# KiCad board Clavier.kicad_pcb (continued)
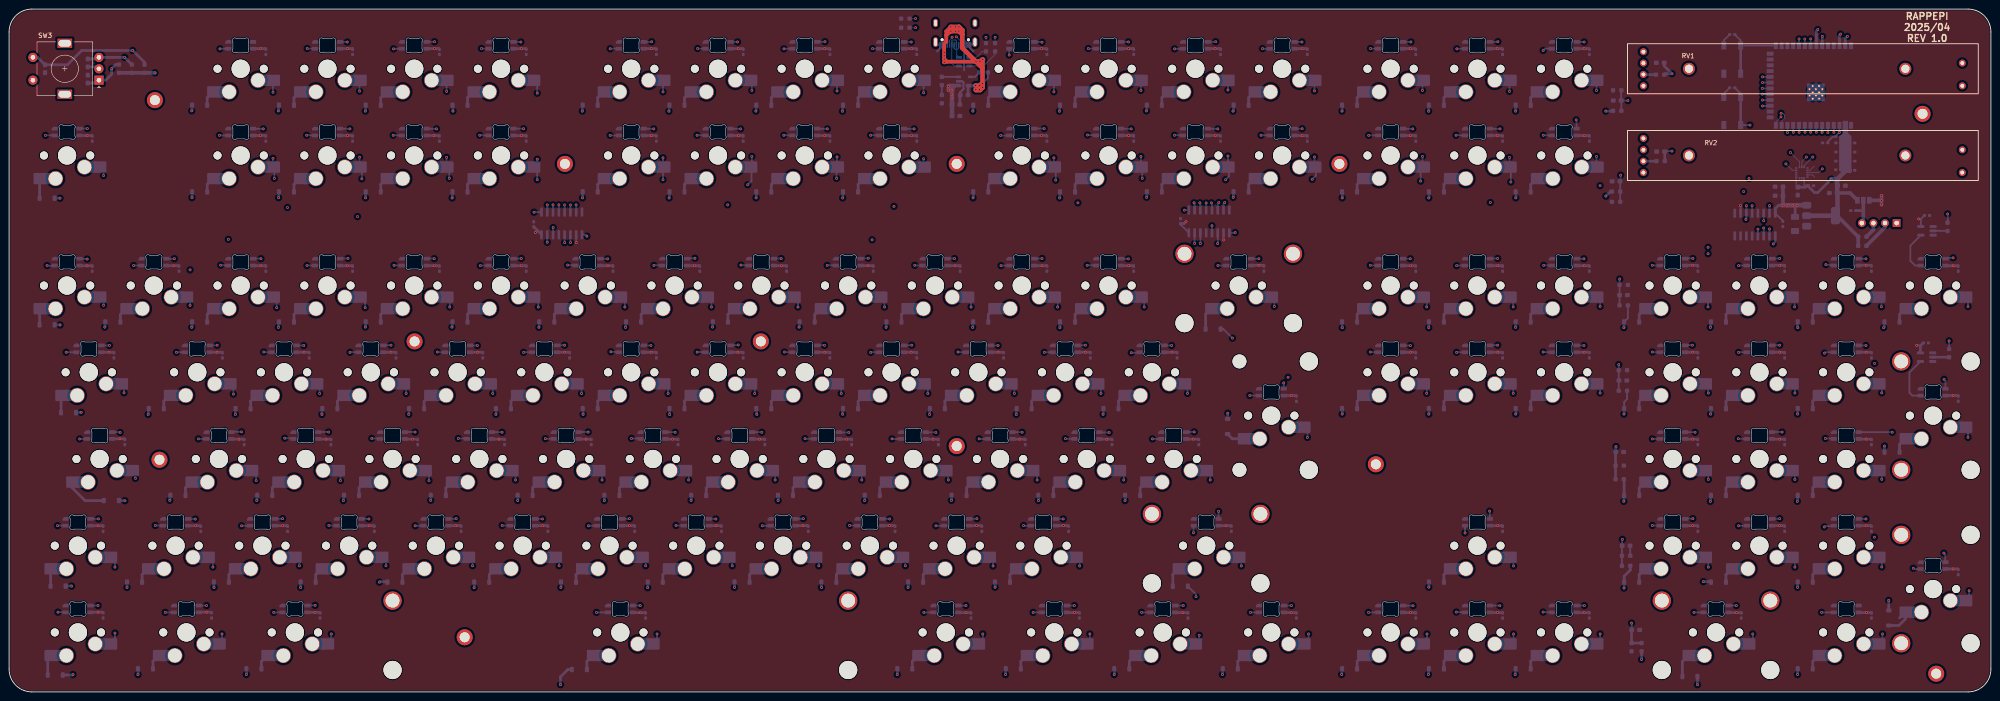
[diagram p0: board, top side]
## Placement (name value [footprint] x y rotation side) (continued)
LED22  MX_SK6812MINI-E  [LED_MX_6028R]  155.6 122.99 0 bottom
LED23  MX_SK6812MINI-E  [LED_MX_6028R]  174.65 122.99 0 bottom
LED24  MX_SK6812MINI-E  [LED_MX_6028R]  193.7 122.99 0 bottom
LED25  MX_SK6812MINI-E  [LED_MX_6028R]  222.28 122.99 0 bottom
LED26  MX_SK6812MINI-E  [LED_MX_6028R]  241.33 122.99 0 bottom
LED27  MX_SK6812MINI-E  [LED_MX_6028R]  260.38 122.99 0 bottom
LED28  MX_SK6812MINI-E  [LED_MX_6028R]  279.43 122.99 0 bottom
LED29  MX_SK6812MINI-E  [LED_MX_6028R]  303.24 122.99 0 bottom
LED30  MX_SK6812MINI-E  [LED_MX_6028R]  322.29 122.99 0 bottom
LED31  MX_SK6812MINI-E  [LED_MX_6028R]  341.34 122.99 0 bottom
LED32  MX_SK6812MINI-E  [LED_MX_6028R]  12.73 94.42 0 bottom
LED33  MX_SK6812MINI-E  [LED_MX_6028R]  31.78 94.42 0 bottom
LED34  MX_SK6812MINI-E  [LED_MX_6028R]  50.83 94.42 0 bottom
LED35  MX_SK6812MINI-E  [LED_MX_6028R]  69.88 94.42 0 bottom
LED36  MX_SK6812MINI-E  [LED_MX_6028R]  88.93 94.42 0 bottom
LED37  MX_SK6812MINI-E  [LED_MX_6028R]  107.98 94.42 0 bottom
LED38  MX_SK6812MINI-E  [LED_MX_6028R]  127.03 94.42 0 bottom
LED39  MX_SK6812MINI-E  [LED_MX_6028R]  146.08 94.42 0 bottom
LED40  MX_SK6812MINI-E  [LED_MX_6028R]  165.13 94.42 0 bottom
LED41  MX_SK6812MINI-E  [LED_MX_6028R]  184.18 94.42 0 bottom
LED42  MX_SK6812MINI-E  [LED_MX_6028R]  203.23 94.42 0 bottom
LED43  MX_SK6812MINI-E  [LED_MX_6028R]  222.28 94.42 0 bottom
LED44  MX_SK6812MINI-E  [LED_MX_6028R]  241.33 94.42 0 bottom
LED45  MX_SK6812MINI-E  [LED_MX_6028R]  269.9 94.42 0 bottom
LED46  MX_SK6812MINI-E  [LED_MX_6028R]  303.24 94.42 0 bottom
LED47  MX_SK6812MINI-E  [LED_MX_6028R]  322.29 94.42 0 bottom
LED48  MX_SK6812MINI-E  [LED_MX_6028R]  341.34 94.42 0 bottom
LED49  MX_SK6812MINI-E  [LED_MX_6028R]  365.15 94.42 0 bottom
LED50  MX_SK6812MINI-E  [LED_MX_6028R]  384.2 94.42 0 bottom
LED51  MX_SK6812MINI-E  [LED_MX_6028R]  403.25 94.42 0 bottom
LED52  MX_SK6812MINI-E  [LED_MX_6028R]  422.3 94.42 0 bottom
LED53  MX_SK6812MINI-E  [LED_MX_6028R]  17.49 75.37 0 bottom
LED54  MX_SK6812MINI-E  [LED_MX_6028R]  41.3 75.37 0 bottom
LED55  MX_SK6812MINI-E  [LED_MX_6028R]  60.35 75.37 0 bottom
LED56  MX_SK6812MINI-E  [LED_MX_6028R]  79.4 75.37 0 bottom
LED57  MX_SK6812MINI-E  [LED_MX_6028R]  98.45 75.37 0 bottom
LED58  MX_SK6812MINI-E  [LED_MX_6028R]  117.5 75.37 0 bottom
LED59  MX_SK6812MINI-E  [LED_MX_6028R]  136.55 75.37 0 bottom
LED60  MX_SK6812MINI-E  [LED_MX_6028R]  155.6 75.37 0 bottom
LED61  MX_SK6812MINI-E  [LED_MX_6028R]  174.65 75.37 0 bottom
LED62  MX_SK6812MINI-E  [LED_MX_6028R]  193.7 75.37 0 bottom
LED63  MX_SK6812MINI-E  [LED_MX_6028R]  212.75 75.37 0 bottom
LED64  MX_SK6812MINI-E  [LED_MX_6028R]  231.8 75.37 0 bottom
LED65  MX_SK6812MINI-E  [LED_MX_6028R]  250.85 75.37 0 bottom
LED66  MX_SK6812MINI-E  [LED_MX_6028R]  277.04 65.84 0 bottom
LED67  MX_SK6812MINI-E  [LED_MX_6028R]  303.24 75.37 0 bottom
LED68  MX_SK6812MINI-E  [LED_MX_6028R]  322.29 75.37 0 bottom
LED69  MX_SK6812MINI-E  [LED_MX_6028R]  341.34 75.37 0 bottom
LED70  MX_SK6812MINI-E  [LED_MX_6028R]  365.15 75.37 0 bottom
LED71  MX_SK6812MINI-E  [LED_MX_6028R]  384.2 75.37 0 bottom
LED72  MX_SK6812MINI-E  [LED_MX_6028R]  403.25 75.37 0 bottom
LED73  MX_SK6812MINI-E  [LED_MX_6028R]  422.3 65.84 0 bottom
LED74  MX_SK6812MINI-E  [LED_MX_6028R]  19.87 56.32 0 bottom
LED75  MX_SK6812MINI-E  [LED_MX_6028R]  46.06 56.32 0 bottom
LED76  MX_SK6812MINI-E  [LED_MX_6028R]  65.11 56.32 0 bottom
LED77  MX_SK6812MINI-E  [LED_MX_6028R]  84.16 56.32 0 bottom
LED78  MX_SK6812MINI-E  [LED_MX_6028R]  103.21 56.32 0 bottom
LED79  MX_SK6812MINI-E  [LED_MX_6028R]  122.26 56.32 0 bottom
LED80  MX_SK6812MINI-E  [LED_MX_6028R]  141.31 56.32 0 bottom
LED81  MX_SK6812MINI-E  [LED_MX_6028R]  160.36 56.32 0 bottom
LED82  MX_SK6812MINI-E  [LED_MX_6028R]  179.41 56.32 0 bottom
LED83  MX_SK6812MINI-E  [LED_MX_6028R]  198.46 56.32 0 bottom
LED84  MX_SK6812MINI-E  [LED_MX_6028R]  217.51 56.32 0 bottom
LED85  MX_SK6812MINI-E  [LED_MX_6028R]  236.56 56.32 0 bottom
LED86  MX_SK6812MINI-E  [LED_MX_6028R]  255.61 56.32 0 bottom
LED87  MX_SK6812MINI-E  [LED_MX_6028R]  365.15 56.32 0 bottom
LED88  MX_SK6812MINI-E  [LED_MX_6028R]  384.2 56.32 0 bottom
LED89  MX_SK6812MINI-E  [LED_MX_6028R]  403.25 56.32 0 bottom
LED90  MX_SK6812MINI-E  [LED_MX_6028R]  15.11 37.27 0 bottom
LED91  MX_SK6812MINI-E  [LED_MX_6028R]  36.54 37.27 0 bottom
LED92  MX_SK6812MINI-E  [LED_MX_6028R]  55.59 37.27 0 bottom
LED93  MX_SK6812MINI-E  [LED_MX_6028R]  74.64 37.27 0 bottom
LED94  MX_SK6812MINI-E  [LED_MX_6028R]  93.69 37.27 0 bottom
LED95  MX_SK6812MINI-E  [LED_MX_6028R]  112.74 37.27 0 bottom
LED96  MX_SK6812MINI-E  [LED_MX_6028R]  131.79 37.27 0 bottom
LED97  MX_SK6812MINI-E  [LED_MX_6028R]  150.84 37.27 0 bottom
LED98  MX_SK6812MINI-E  [LED_MX_6028R]  169.89 37.27 0 bottom
LED99  MX_SK6812MINI-E  [LED_MX_6028R]  188.94 37.27 0 bottom
LED100  MX_SK6812MINI-E  [LED_MX_6028R]  207.99 37.27 0 bottom
LED101  MX_SK6812MINI-E  [LED_MX_6028R]  227.04 37.27 0 bottom
LED102  MX_SK6812MINI-E  [LED_MX_6028R]  262.76 37.27 0 bottom
LED103  MX_SK6812MINI-E  [LED_MX_6028R]  322.29 37.27 0 bottom
LED104  MX_SK6812MINI-E  [LED_MX_6028R]  365.15 37.27 0 bottom
LED105  MX_SK6812MINI-E  [LED_MX_6028R]  384.2 37.27 0 bottom
LED106  MX_SK6812MINI-E  [LED_MX_6028R]  403.25 37.27 0 bottom
LED107  MX_SK6812MINI-E  [LED_MX_6028R]  422.3 27.74 0 bottom
LED108  MX_SK6812MINI-E  [LED_MX_6028R]  15.11 18.22 0 bottom
LED109  MX_SK6812MINI-E  [LED_MX_6028R]  38.92 18.22 0 bottom
LED110  MX_SK6812MINI-E  [LED_MX_6028R]  62.73 18.22 0 bottom
LED111  MX_SK6812MINI-E  [LED_MX_6028R]  134.17 18.22 0 bottom
LED112  MX_SK6812MINI-E  [LED_MX_6028R]  205.61 18.22 0 bottom
LED113  MX_SK6812MINI-E  [LED_MX_6028R]  229.42 18.22 0 bottom
LED114  MX_SK6812MINI-E  [LED_MX_6028R]  253.23 18.22 0 bottom
LED115  MX_SK6812MINI-E  [LED_MX_6028R]  277.04 18.22 0 bottom
LED116  MX_SK6812MINI-E  [LED_MX_6028R]  303.24 18.22 0 bottom
LED117  MX_SK6812MINI-E  [LED_MX_6028R]  322.29 18.22 0 bottom
LED118  MX_SK6812MINI-E  [LED_MX_6028R]  341.34 18.22 0 bottom
LED119  MX_SK6812MINI-E  [LED_MX_6028R]  374.68 18.22 0 bottom
LED120  MX_SK6812MINI-E  [LED_MX_6028R]  403.25 18.22 0 bottom
MX1  MX_SW_HS  [SW_MX_HS_KS-2P02B01-01_1u]  50.83 136.89 0 bottom
MX2  MX_SW_HS  [SW_MX_HS_KS-2P02B01-01_1u]  69.88 136.89 0 bottom
MX3  MX_SW_HS  [SW_MX_HS_KS-2P02B01-01_1u]  88.93 136.89 0 bottom
MX4  MX_SW_HS  [SW_MX_HS_KS-2P02B01-01_1u]  107.98 136.89 0 bottom
MX5  MX_SW_HS  [SW_MX_HS_KS-2P02B01-01_1u]  136.55 136.89 0 bottom
MX6  MX_SW_HS  [SW_MX_HS_KS-2P02B01-01_1u]  155.6 136.89 0 bottom
MX7  MX_SW_HS  [SW_MX_HS_KS-2P02B01-01_1u]  174.65 136.89 0 bottom
MX8  MX_SW_HS  [SW_MX_HS_KS-2P02B01-01_1u]  193.7 136.89 0 bottom
MX9  MX_SW_HS  [SW_MX_HS_KS-2P02B01-01_1u]  222.28 136.89 0 bottom
MX10  MX_SW_HS  [SW_MX_HS_KS-2P02B01-01_1u]  241.33 136.89 0 bottom
MX11  MX_SW_HS  [SW_MX_HS_KS-2P02B01-01_1u]  260.38 136.89 0 bottom
MX12  MX_SW_HS  [SW_MX_HS_KS-2P02B01-01_1u]  279.43 136.89 0 bottom
MX13  MX_SW_HS  [SW_MX_HS_KS-2P02B01-01_1u]  303.24 136.89 0 bottom
MX14  MX_SW_HS  [SW_MX_HS_KS-2P02B01-01_1u]  322.29 136.89 0 bottom
MX15  MX_SW_HS  [SW_MX_HS_KS-2P02B01-01_1u]  341.34 136.89 0 bottom
MX16  MX_SW_HS  [SW_MX_HS_KS-2P02B01-01_1u]  12.73 117.84 0 bottom
MX17  MX_SW_HS  [SW_MX_HS_KS-2P02B01-01_1u]  50.83 117.84 0 bottom
MX18  MX_SW_HS  [SW_MX_HS_KS-2P02B01-01_1u]  69.88 117.84 0 bottom
MX19  MX_SW_HS  [SW_MX_HS_KS-2P02B01-01_1u]  88.93 117.84 0 bottom
MX20  MX_SW_HS  [SW_MX_HS_KS-2P02B01-01_1u]  107.98 117.84 0 bottom
MX21  MX_SW_HS  [SW_MX_HS_KS-2P02B01-01_1u]  136.55 117.84 0 bottom
MX22  MX_SW_HS  [SW_MX_HS_KS-2P02B01-01_1u]  155.6 117.84 0 bottom
MX23  MX_SW_HS  [SW_MX_HS_KS-2P02B01-01_1u]  174.65 117.84 0 bottom
MX24  MX_SW_HS  [SW_MX_HS_KS-2P02B01-01_1u]  193.7 117.84 0 bottom
MX25  MX_SW_HS  [SW_MX_HS_KS-2P02B01-01_1u]  222.28 117.84 0 bottom
MX26  MX_SW_HS  [SW_MX_HS_KS-2P02B01-01_1u]  241.33 117.84 0 bottom
MX27  MX_SW_HS  [SW_MX_HS_KS-2P02B01-01_1u]  260.38 117.84 0 bottom
MX28  MX_SW_HS  [SW_MX_HS_KS-2P02B01-01_1u]  279.43 117.84 0 bottom
MX29  MX_SW_HS  [SW_MX_HS_KS-2P02B01-01_1u]  303.24 117.84 0 bottom
MX30  MX_SW_HS  [SW_MX_HS_KS-2P02B01-01_1u]  322.29 117.84 0 bottom
MX31  MX_SW_HS  [SW_MX_HS_KS-2P02B01-01_1u]  341.39 117.84 0 bottom
MX32  MX_SW_HS  [SW_MX_HS_KS-2P02B01-01_1u]  12.73 89.27 0 bottom
MX33  MX_SW_HS  [SW_MX_HS_KS-2P02B01-01_1u]  31.78 89.27 0 bottom
MX34  MX_SW_HS  [SW_MX_HS_KS-2P02B01-01_1u]  50.83 89.27 0 bottom
MX35  MX_SW_HS  [SW_MX_HS_KS-2P02B01-01_1u]  69.88 89.27 0 bottom
MX36  MX_SW_HS  [SW_MX_HS_KS-2P02B01-01_1u]  88.93 89.27 0 bottom
MX37  MX_SW_HS  [SW_MX_HS_KS-2P02B01-01_1u]  107.98 89.27 0 bottom
MX38  MX_SW_HS  [SW_MX_HS_KS-2P02B01-01_1u]  127.03 89.27 0 bottom
MX39  MX_SW_HS  [SW_MX_HS_KS-2P02B01-01_1u]  146.08 89.27 0 bottom
MX40  MX_SW_HS  [SW_MX_HS_KS-2P02B01-01_1u]  165.13 89.27 0 bottom
MX41  MX_SW_HS  [SW_MX_HS_KS-2P02B01-01_1u]  184.18 89.27 0 bottom
MX42  MX_SW_HS  [SW_MX_HS_KS-2P02B01-01_1u]  203.23 89.27 0 bottom
MX43  MX_SW_HS  [SW_MX_HS_KS-2P02B01-01_1u]  222.28 89.27 0 bottom
MX44  MX_SW_HS  [SW_MX_HS_KS-2P02B01-01_1u]  241.33 89.27 0 bottom
MX45  MX_SW_HS  [SW_MX_HS_KS-2P02B01-01_1u]  269.9 89.27 0 bottom
MX46  MX_SW_HS  [SW_MX_HS_KS-2P02B01-01_1u]  303.24 89.27 0 bottom
MX47  MX_SW_HS  [SW_MX_HS_KS-2P02B01-01_1u]  322.29 89.27 0 bottom
MX48  MX_SW_HS  [SW_MX_HS_KS-2P02B01-01_1u]  341.34 89.27 0 bottom
MX49  MX_SW_HS  [SW_MX_HS_KS-2P02B01-01_1u]  365.15 89.27 0 bottom
MX50  MX_SW_HS  [SW_MX_HS_KS-2P02B01-01_1u]  384.2 89.27 0 bottom
MX51  MX_SW_HS  [SW_MX_HS_KS-2P02B01-01_1u]  403.25 89.27 0 bottom
MX52  MX_SW_HS  [SW_MX_HS_KS-2P02B01-01_1u]  422.3 89.27 0 bottom
MX53  MX_SW_HS  [SW_MX_HS_KS-2P02B01-01_1u]  17.49 70.22 0 bottom
MX54  MX_SW_HS  [SW_MX_HS_KS-2P02B01-01_1u]  41.3 70.22 0 bottom
MX55  MX_SW_HS  [SW_MX_HS_KS-2P02B01-01_1u]  60.35 70.22 0 bottom
MX56  MX_SW_HS  [SW_MX_HS_KS-2P02B01-01_1u]  79.4 70.22 0 bottom
MX57  MX_SW_HS  [SW_MX_HS_KS-2P02B01-01_1u]  98.45 70.22 0 bottom
MX58  MX_SW_HS  [SW_MX_HS_KS-2P02B01-01_1u]  117.5 70.22 0 bottom
MX59  MX_SW_HS  [SW_MX_HS_KS-2P02B01-01_1u]  136.55 70.22 0 bottom
MX60  MX_SW_HS  [SW_MX_HS_KS-2P02B01-01_1u]  155.6 70.22 0 bottom
MX61  MX_SW_HS  [SW_MX_HS_KS-2P02B01-01_1u]  174.65 70.22 0 bottom
MX62  MX_SW_HS  [SW_MX_HS_KS-2P02B01-01_1u]  193.7 70.22 0 bottom
MX63  MX_SW_HS  [SW_MX_HS_KS-2P02B01-01_1u]  212.75 70.22 0 bottom
MX64  MX_SW_HS  [SW_MX_HS_KS-2P02B01-01_1u]  231.8 70.22 0 bottom
MX65  MX_SW_HS  [SW_MX_HS_KS-2P02B01-01_1u]  250.85 70.22 0 bottom
MX66  MX_SW_HS  [SW_MX_HS_KS-2P02B01-01_1u]  277.04 60.69 0 bottom
MX67  MX_SW_HS  [SW_MX_HS_KS-2P02B01-01_1u]  303.24 70.22 0 bottom
MX68  MX_SW_HS  [SW_MX_HS_KS-2P02B01-01_1u]  322.29 70.22 0 bottom
MX69  MX_SW_HS  [SW_MX_HS_KS-2P02B01-01_1u]  341.34 70.22 0 bottom
MX70  MX_SW_HS  [SW_MX_HS_KS-2P02B01-01_1u]  365.15 70.22 0 bottom
MX71  MX_SW_HS  [SW_MX_HS_KS-2P02B01-01_1u]  384.2 70.22 0 bottom
MX72  MX_SW_HS  [SW_MX_HS_KS-2P02B01-01_1u]  403.25 70.22 0 bottom
MX73  MX_SW_HS  [SW_MX_HS_KS-2P02B01-01_1u]  422.3 60.69 0 bottom
MX74  MX_SW_HS  [SW_MX_HS_KS-2P02B01-01_1u]  19.87 51.17 0 bottom
MX75  MX_SW_HS  [SW_MX_HS_KS-2P02B01-01_1u]  46.06 51.17 0 bottom
MX76  MX_SW_HS  [SW_MX_HS_KS-2P02B01-01_1u]  65.11 51.17 0 bottom
MX77  MX_SW_HS  [SW_MX_HS_KS-2P02B01-01_1u]  84.16 51.17 0 bottom
MX78  MX_SW_HS  [SW_MX_HS_KS-2P02B01-01_1u]  103.21 51.17 0 bottom
MX79  MX_SW_HS  [SW_MX_HS_KS-2P02B01-01_1u]  122.26 51.17 0 bottom
MX80  MX_SW_HS  [SW_MX_HS_KS-2P02B01-01_1u]  141.31 51.17 0 bottom
MX81  MX_SW_HS  [SW_MX_HS_KS-2P02B01-01_1u]  160.36 51.17 0 bottom
MX82  MX_SW_HS  [SW_MX_HS_KS-2P02B01-01_1u]  179.41 51.17 0 bottom
MX83  MX_SW_HS  [SW_MX_HS_KS-2P02B01-01_1u]  198.46 51.17 0 bottom
MX84  MX_SW_HS  [SW_MX_HS_KS-2P02B01-01_1u]  217.51 51.17 0 bottom
MX85  MX_SW_HS  [SW_MX_HS_KS-2P02B01-01_1u]  236.56 51.17 0 bottom
MX86  MX_SW_HS  [SW_MX_HS_KS-2P02B01-01_1u]  255.61 51.17 0 bottom
MX87  MX_SW_HS  [SW_MX_HS_KS-2P02B01-01_1u]  365.15 51.17 0 bottom
MX88  MX_SW_HS  [SW_MX_HS_KS-2P02B01-01_1u]  384.2 51.17 0 bottom
MX89  MX_SW_HS  [SW_MX_HS_KS-2P02B01-01_1u]  403.25 51.17 0 bottom
MX90  MX_SW_HS  [SW_MX_HS_KS-2P02B01-01_1u]  15.11 32.12 0 bottom
MX91  MX_SW_HS  [SW_MX_HS_KS-2P02B01-01_1u]  36.54 32.12 0 bottom
MX92  MX_SW_HS  [SW_MX_HS_KS-2P02B01-01_1u]  55.59 32.12 0 bottom
MX93  MX_SW_HS  [SW_MX_HS_KS-2P02B01-01_1u]  74.64 32.12 0 bottom
MX94  MX_SW_HS  [SW_MX_HS_KS-2P02B01-01_1u]  93.69 32.12 0 bottom
MX95  MX_SW_HS  [SW_MX_HS_KS-2P02B01-01_1u]  112.74 32.12 0 bottom
MX96  MX_SW_HS  [SW_MX_HS_KS-2P02B01-01_1u]  131.79 32.12 0 bottom
MX97  MX_SW_HS  [SW_MX_HS_KS-2P02B01-01_1u]  150.84 32.12 0 bottom
MX98  MX_SW_HS  [SW_MX_HS_KS-2P02B01-01_1u]  169.89 32.12 0 bottom
MX99  MX_SW_HS  [SW_MX_HS_KS-2P02B01-01_1u]  188.94 32.12 0 bottom
MX100  MX_SW_HS  [SW_MX_HS_KS-2P02B01-01_1u]  207.99 32.12 0 bottom
MX101  MX_SW_HS  [SW_MX_HS_KS-2P02B01-01_1u]  227.04 32.12 0 bottom
MX102  MX_SW_HS  [SW_MX_HS_KS-2P02B01-01_1u]  262.76 32.12 0 bottom
MX103  MX_SW_HS  [SW_MX_HS_KS-2P02B01-01_1u]  322.29 32.12 0 bottom
MX104  MX_SW_HS  [SW_MX_HS_KS-2P02B01-01_1u]  365.15 32.12 0 bottom
MX105  MX_SW_HS  [SW_MX_HS_KS-2P02B01-01_1u]  384.2 32.12 0 bottom
MX106  MX_SW_HS  [SW_MX_HS_KS-2P02B01-01_1u]  403.25 32.12 0 bottom
MX107  MX_SW_HS  [SW_MX_HS_KS-2P02B01-01_1u]  422.3 22.59 0 bottom
MX108  MX_SW_HS  [SW_MX_HS_KS-2P02B01-01_1u]  15.11 13.07 0 bottom
MX109  MX_SW_HS  [SW_MX_HS_KS-2P02B01-01_1u]  38.92 13.07 0 bottom
MX110  MX_SW_HS  [SW_MX_HS_KS-2P02B01-01_1u]  62.73 13.07 0 bottom
MX111  MX_SW_HS  [SW_MX_HS_KS-2P02B01-01_1u]  134.17 13.07 0 bottom
MX112  MX_SW_HS  [SW_MX_HS_KS-2P02B01-01_1u]  205.61 13.07 0 bottom
MX113  MX_SW_HS  [SW_MX_HS_KS-2P02B01-01_1u]  229.42 13.07 0 bottom
MX114  MX_SW_HS  [SW_MX_HS_KS-2P02B01-01_1u]  253.23 13.07 0 bottom
MX115  MX_SW_HS  [SW_MX_HS_KS-2P02B01-01_1u]  277.04 13.07 0 bottom
MX116  MX_SW_HS  [SW_MX_HS_KS-2P02B01-01_1u]  303.24 13.07 0 bottom
MX117  MX_SW_HS  [SW_MX_HS_KS-2P02B01-01_1u]  322.29 13.07 0 bottom
MX118  MX_SW_HS  [SW_MX_HS_KS-2P02B01-01_1u]  341.34 13.07 0 bottom
MX119  MX_SW_HS  [SW_MX_HS_KS-2P02B01-01_1u]  374.68 13.07 0 bottom
MX120  MX_SW_HS  [SW_MX_HS_KS-2P02B01-01_1u]  403.25 13.07 0 bottom
R1  10k  [R_0402_1005Metric_Pad0.72x0.64mm_HandSolder]  401.53 122.01 180 bottom
R2  5.1k  [R_0603_1608Metric_Pad0.98x0.95mm_HandSolder]  196.73 145.91 0 bottom
R3  5.1k  [R_0603_1608Metric_Pad0.98x0.95mm_HandSolder]  196.73 147.91 0 bottom
R4  1k  [R_0603_1608Metric_Pad0.98x0.95mm_HandSolder]  362.4 135.6 180 bottom
R5  1.5k  [R_0603_1608Metric_Pad0.98x0.95mm_HandSolder]  352.98 127.66 0 bottom
R6  2.2k  [R_0603_1608Metric_Pad0.98x0.95mm_HandSolder]  352.98 132.16 180 bottom
R7  1.5k  [R_0603_1608Metric_Pad0.98x0.95mm_HandSolder]  352.73 109.91 0 bottom
R8  2.2k  [R_0603_1608Metric_Pad0.98x0.95mm_HandSolder]  352.73 107.66 180 bottom
R9  1.5k  [R_0603_1608Metric_Pad0.98x0.95mm_HandSolder]  354.41 84.91 180 bottom
R10  2.2k  [R_0603_1608Metric_Pad0.98x0.95mm_HandSolder]  354.41 89.41 0 bottom
R11  1.5k  [R_0603_1608Metric_Pad0.98x0.95mm_HandSolder]  354.23 66.16 180 bottom
R12  2.2k  [R_0603_1608Metric_Pad0.98x0.95mm_HandSolder]  354.23 70.66 0 bottom
R13  1.5k  [R_0603_1608Metric_Pad0.98x0.95mm_HandSolder]  353.53 46.71 180 bottom
R14  2.2k  [R_0603_1608Metric_Pad0.98x0.95mm_HandSolder]  353.53 49.71 0 bottom
R15  1.5k  [R_0603_1608Metric_Pad0.98x0.95mm_HandSolder]  354.93 27.71 180 bottom
R16  2.2k  [R_0603_1608Metric_Pad0.98x0.95mm_HandSolder]  354.93 29.91 0 bottom
R17  1.5k  [R_0603_1608Metric_Pad0.98x0.95mm_HandSolder]  358.33 9.83 90 bottom
R18  2.2k  [R_0603_1608Metric_Pad0.98x0.95mm_HandSolder]  356.13 9.83 270 bottom
R19  100  [R_0603_1608Metric_Pad0.98x0.95mm_HandSolder]  425.48 102.16 90 bottom
R20  27  [R_0603_1608Metric_Pad0.98x0.95mm_HandSolder]  214.43 141.61 270 bottom
R21  27  [R_0603_1608Metric_Pad0.98x0.95mm_HandSolder]  216.43 141.61 270 bottom
R22  100  [R_0603_1608Metric_Pad0.98x0.95mm_HandSolder]  425.83 74.42 90 bottom
R23  10k  [R_0603_1608Metric_Pad0.98x0.95mm_HandSolder]  29.73 136.91 90 bottom
R24  10k  [R_0603_1608Metric_Pad0.98x0.95mm_HandSolder]  24.13 136.91 270 bottom
R25  10k  [R_0603_1608Metric_Pad0.98x0.95mm_HandSolder]  26.93 136.91 270 bottom
R26  3.3k  [R_0603_1608Metric_Pad0.98x0.95mm_HandSolder]  406.78 100 0 bottom
R27  1k  [R_0603_1608Metric_Pad0.98x0.95mm_HandSolder]  362.5 116.6 0 bottom
R28  5.1k  [R_0603_1608Metric_Pad0.98x0.95mm_HandSolder]  204.73 134.21 270 bottom
R29  1.5k  [R_0603_1608Metric_Pad0.98x0.95mm_HandSolder]  204.73 130.21 270 bottom
R30  1k  [R_0603_1608Metric_Pad0.98x0.95mm_HandSolder]  213.93 136.11 0 bottom
R31  3.3k  [R_0603_1608Metric_Pad0.98x0.95mm_HandSolder]  406.78 98 0 bottom
RV1  R_Potentiometer_Dual_MountingPin  [Potentiometer_Slider_ALIEXPRESS]  393.73 136.89 0 top
RV2  R_Potentiometer_Dual_MountingPin  [Potentiometer_Slider_ALIEXPRESS]  393.73 117.84 0 top
S1  MX_stab  [STAB_MX_P_2u]  269.9 89.27 0 top
S2  MX_stab  [STAB_MX_ISO]  277.04 60.69 0 top
S3  MX_stab  [STAB_MX_P_2u]  422.3 60.69 90 top
S4  MX_stab  [STAB_MX_P_2u]  262.76 32.12 0 top
S5  MX_stab  [STAB_MX_P_2u]  422.3 22.59 90 top
S6  MX_stab  [STAB_MX_P_6.25u]  134.17 13.07 0 top
S7  MX_stab  [STAB_MX_P_2u]  374.68 13.07 0 top
SW1  SW_Push  [SW_SPST_SKQG_WithoutStem]  378.23 138.91 270 bottom
SW2  SW_Push  [SW_SPST_SKQG_WithoutStem]  378.23 127.61 270 bottom
SW3  RotaryEncoder  [RotaryEncoder_Alps_EC11E-Switch_Vertical_H20mm]  12.23 136.89 180 top
U1  ESP32-S3-N16R8-WROOM-1  [ESP32-S3-WROOM-1]  399.05 133.21 90 bottom
U2  AMS1117-3.3  [SOT-223-3_TabPin2]  397.73 104.61 0 bottom
U3  74HC595  [SOP-16_3.9x9.9mm_P1.27mm]  121.3 102.91 270 bottom
U4  74HC595  [SOP-16_3.9x9.9mm_P1.27mm]  263.39 103.35 270 bottom
U5  74HC595  [SOP-16_3.9x9.9mm_P1.27mm]  383.23 102.66 90 bottom
U6  USBLC6-2SC6  [SOT-23-6]  209.63 138.45 0 bottom
U7  74AHCT1G125  [SOT-23-5_HandSoldering]  420.98 101.29 180 bottom
U8  74AHCT1G125  [SOT-23-5_HandSoldering]  420.88 73.53 180 bottom
U10  LIS3DH  [LGA-16_3x3mm_P0.5mm_LayoutBorder3x5y]  393.5 114.09 0 bottom
U11  MT9700  [SOT-23-5_L3.0-W1.7-P0.95-LS2.8-BR]  209.7 134.15 180 bottom

## Library data of the parts
C1-C159 = -: Description: Unpolarized capacitor; ki_fp_filters: C_*
D1-D120 = -: Datasheet: https://www.vishay.com/docs/85748/1n4148w.pdf; Description: 75V 0.15A Fast Switching Diode, SOD-123; Sim.Device: D; Sim.Pins: 1=K 2=A; ki_fp_filters: D*SOD?123*
H1-H12 = -: Description: Mounting Hole with connection; ki_fp_filters: MountingHole*Pad*
J1 = -: Datasheet: https://www.usb.org/sites/default/files/documents/usb_type-c.zip; Description: USB 2.0-only 16P Type-C Receptacle connector; ki_fp_filters: USB*C*Receptacle*
J2 = -: Description: Generic connector, single row, 01x04, script generated; ki_fp_filters: Connector*:*_1x??_*
JP1 = -: Description: Solder Jumper, 3-pole, open; ki_fp_filters: SolderJumper*Open*
LED1-LED120 = -: Description: Reverse mount adressable LED (WS2812 protocol)
MX1-MX120 = -: Description: Push button switch, normally open, two pins, 45° tilted, Gateron KS-2P02B01-01 for Cherry MX style switches
R1-R31 = -: Description: Resistor; ki_fp_filters: R_*
RV1 RV2 = -: Description: Dual potentiometer with a mounting pin; ki_fp_filters: Potentiometer*
S1-S7 = -: Description: Cherry MX-style stabilizer
SW1 SW2 = -: Description: Push button switch, generic, two pins
SW3 = -: Description: Rotary encoder, dual channel, incremental quadrate outputs, with switch; ki_fp_filters: RotaryEncoder*Switch*
U1 = -: Datasheet: https://www.espressif.com/sites/default/files/documentation/esp32-s3-wroom-1_wroom-1u_datasheet_en.pdf; Description: RF Module, ESP32-S3 SoC, Wi-Fi 802.11b/g/n, Bluetooth, BLE, 32-bit, 3.3V, onboard antenna, SMD; ki_fp_filters: ESP32?S3?WROOM?1*
U2 = -: Datasheet: http://www.advanced-monolithic.com/pdf/ds1117.pdf; Description: 1A Low Dropout regulator, positive, 3.3V fixed output, SOT-223; ki_fp_filters: SOT?223*TabPin2*
U3-U5 = -: Datasheet: http://www.ti.com/lit/ds/symlink/sn74hc595.pdf; Description: 8-bit serial in/out Shift Register 3-State Outputs; ki_fp_filters: DIP*W7.62mm* SOIC*3.9x9.9mm*P1.27mm* TSSOP*4.4x5mm*P0.65mm* SOIC*5.3x10.2mm*P1.27mm* SOIC*7.5x10.3mm*P1.27mm*
U6 = -: Datasheet: https://www.st.com/resource/en/datasheet/usblc6-2.pdf; Description: Very low capacitance ESD protection diode, 2 data-line, SOT-23-6; ki_fp_filters: SOT?23*
U7 U8 = -: Datasheet: http://www.ti.com/lit/sg/scyt129e/scyt129e.pdf; Description: Single Buffer Gate Tri-State, Low-Voltage CMOS; ki_fp_filters: SOT* SG-*
U10 = -: Datasheet: https://www.st.com/resource/en/datasheet/cd00274221.pdf; Description: 3-Axis Accelerometer, 2/4/8/16g range, I2C/SPI interface, LGA-16; ki_fp_filters: LGA*3x3mm*P0.5mm*LayoutBorder3x5y*
U11 = -: Datasheet: https://lcsc.com/product-detail/PMIC-Power-Distribution-Switches_MT9700_C89855.html; LCSC Part: C89855

## Footprints (pads in the part's own frame, mm; a bottom-side part is the same pattern mirrored in y, then rotated)
C_0402_1005Metric_Pad0.74x0.62mm_HandSolder
  rrect 0.735x0.62 smd: 1(-0.568,0) 2(0.568,0)
C_0603_1608Metric_Pad1.08x0.95mm_HandSolder
  rrect 1.075x0.95 smd: 1(-0.863,0) 2(0.863,0)
C_1206_3216Metric_Pad1.33x1.80mm_HandSolder
  rrect 1.325x1.8 smd: 1(-1.562,0) 2(1.562,0)
D_SOD-123
  rrect 0.9x1.2 smd: 1(-1.65,0) 2(1.65,0)
ESP32-S3-WROOM-1
  rect 0.9x0.9 smd: (-2.9,-3.86) (-2.9,-2.46) (-2.9,-1.06) (-1.5,-3.86) (-1.5,-2.46) (-1.5,-1.06) (-0.1,-3.86) (-0.1,-2.46) (-0.1,-1.06)
  rect 1.5x0.9 smd: 1(-8.75,5.26) 2(-8.75,3.99) 3(-8.75,2.72) 4(-8.75,1.45) 5(-8.75,0.18) 6(-8.75,-1.09) 7(-8.75,-2.36) 8(-8.75,-3.63) 9(-8.75,-4.9) 10(-8.75,-6.17) 11(-8.75,-7.44) 12(-8.75,-8.71) 13(-8.75,-9.98) 14(-8.75,-11.25) 27(8.75,-11.25) 28(8.75,-9.98) 29(8.75,-8.71) 30(8.75,-7.44) 31(8.75,-6.17) 32(8.75,-4.9) 33(8.75,-3.63) 34(8.75,-2.36) 35(8.75,-1.09) 36(8.75,0.18) 37(8.75,1.45) 38(8.75,2.72) 39(8.75,3.99) 40(8.75,5.26)
  rect 0.9x1.5 smd: 15(-6.985,-12.5) 16(-5.715,-12.5) 17(-4.445,-12.5) 18(-3.175,-12.5) 19(-1.905,-12.5) 20(-0.635,-12.5) 21(0.635,-12.5) 22(1.905,-12.5) 23(3.175,-12.5) 24(4.445,-12.5) 25(5.715,-12.5) 26(6.985,-12.5)
  round 0.6 hole 0.3: 41(-2.9,-3.16) 41(-2.9,-1.76) 41(-2.2,-3.86) 41(-2.2,-2.46) 41(-2.2,-1.06) 41(-1.5,-3.16) 41(-1.5,-1.76) 41(-0.8,-3.86) 41(-0.8,-2.46) 41(-0.8,-1.06) 41(-0.1,-3.16) 41(-0.1,-1.76)
  rect 3.9x3.9 smd: 41(-1.5,-2.46)
LED_MX_6028R
  rrect 1.35x0.82 smd: 1(2.725,0.75) 2(2.725,-0.75) 3(-2.725,0.75) 4(-2.725,-0.75)
LGA-16_3x3mm_P0.5mm_LayoutBorder3x5y
  rrect 0.55x0.35 smd: 1(-1.225,1) 2(-1.225,0.5) 3(-1.225,0) 4(-1.225,-0.5) 5(-1.225,-1) 9(1.225,-1) 10(1.225,-0.5) 11(1.225,0) 12(1.225,0.5) 13(1.225,1)
  rrect 0.35x0.55 smd: 6(-0.5,-1.225) 7(0,-1.225) 8(0.5,-1.225) 14(0.5,1.225) 15(0,1.225) 16(-0.5,1.225)
MountingHole_2.2mm_M2_ISO7380_Pad
  round 3.5 hole 2.2: 1(0,0)
PinHeader_1x04_P2.54mm_Vertical
  rect 1.7x1.7 hole 1: 1(0,0)
  oval 1.7x1.7 hole 1: 2(0,-2.54) 3(0,-5.08) 4(0,-7.62)
Potentiometer_Slider_ALIEXPRESS
  round 1.524 hole 0.85: 1(-35,1.25) 2(-35,3.75) 3(35,1.25) 4(-35,-3.75) 5(-35,-1.25) 6(35,-3.75)
  round 2.6 hole 1.8: MP(-25,0) MP(22.5,0)
R_0402_1005Metric_Pad0.72x0.64mm_HandSolder
  rrect 0.715x0.64 smd: 1(-0.598,0) 2(0.598,0)
R_0603_1608Metric_Pad0.98x0.95mm_HandSolder
  rrect 0.975x0.95 smd: 1(-0.912,0) 2(0.912,0)
RotaryEncoder_Alps_EC11E-Switch_Vertical_H20mm
  rect 2x2 hole 1: A(-7.5,2.5)
  round 2 hole 1: B(-7.5,-2.5) C(-7.5,0) S1(7,-2.5) S2(7,2.5)
  rect 3.2x2 hole 2.8x1.5: MP(0,5.6) MP(0,-5.6)
SolderJumper-3_P1.3mm_Open_Pad1.0x1.5mm_NumberLabels
  rect 1x1.5 smd: 1(-1.3,0) 2(0,0) 3(1.3,0)
SOP-16_3.9x9.9mm_P1.27mm
  rrect 2x0.6 smd: 1(-2.5,4.445) 2(-2.5,3.175) 3(-2.5,1.905) 4(-2.5,0.635) 5(-2.5,-0.635) 6(-2.5,-1.905) 7(-2.5,-3.175) 8(-2.5,-4.445) 9(2.5,-4.445) 10(2.5,-3.175) 11(2.5,-1.905) 12(2.5,-0.635) 13(2.5,0.635) 14(2.5,1.905) 15(2.5,3.175) 16(2.5,4.445)
SOT-23-5_HandSoldering
  rrect 1.56x0.65 smd: 1(-1.35,0.95) 2(-1.35,0) 3(-1.35,-0.95) 4(1.35,-0.95) 5(1.35,0.95)
SOT-23-5_L3.0-W1.7-P0.95-LS2.8-BR
  rect 1.1x0.6 smd: 1(1.3,-0.95) 2(1.3,0) 3(1.3,0.95) 4(-1.3,0.95) 5(-1.3,-0.95)
SOT-23-6
  rrect 1.325x0.6 smd: 1(-1.137,0.95) 2(-1.137,0) 3(-1.137,-0.95) 4(1.137,-0.95) 5(1.137,0) 6(1.137,0.95)
SOT-223-3_TabPin2
  rrect 2x1.5 smd: 1(-3.15,2.3) 2(-3.15,0) 3(-3.15,-2.3)
  rrect 2x3.8 smd: 2(3.15,0)
STAB_MX_ISO
  round 3.048 hole 3.048 unplated: (-6.985,11.906) (-6.985,-11.906)
  round 3.988 hole 3.988 unplated: (8.255,11.906) (8.255,-11.906)
STAB_MX_P_2u
  round 4 hole 3.048: (-11.906,6.985) (11.906,6.985)
  round 3.988 hole 3.988 unplated: (-11.906,-8.255) (11.906,-8.255)
STAB_MX_P_6.25u
  round 4 hole 3.048: (-50.006,6.985) (50.006,6.985)
  round 3.988 hole 3.988 unplated: (-50.006,-8.255) (50.006,-8.255)
SW_MX_HS_KS-2P02B01-01_1u
  round 1.75 hole 1.75 unplated: (-5.08,0) (5.08,0)
  round 3.988 hole 3.988 unplated: (0,0)
  round 3.3 hole 3: 1(3.81,2.54) 2(-2.54,5.08)
  rect 1.65x2.5 smd: 1(5.635,2.54) 2(-4.34,5.08)
  rrect 2.55x2.5 smd: 1(7.36,2.54) 2(-6.09,5.08)
SW_SPST_SKQG_WithoutStem
  rect 1.8x1.1 smd: 1(-3.1,1.85) 1(3.1,1.85) 2(-3.1,-1.85) 2(3.1,-1.85)
USB_C_Receptacle_G-Switch_GT-USB-7010ASV
  round 0.65 hole 0.65 unplated: (-2.89,2.605) (2.89,2.605)
  rect 0.6x1.24 smd: A1(-3.2,3.725) A4(-2.4,3.725) A9(2.4,3.725) A12(3.2,3.725) B1(3.2,3.725) B4(2.4,3.725) B9(-2.4,3.725) B12(-3.2,3.725)
  rect 0.3x1.24 smd: A5(-1.25,3.725) A6(-0.25,3.725) A7(0.25,3.725) A8(1.25,3.725) B5(1.75,3.725) B6(0.75,3.725) B7(-0.75,3.725) B8(-1.75,3.725)
  oval 1x1.8 hole 0.6x1.4: S1(-4.32,-1.075) S1(4.32,-1.075)
  oval 1x2.1 hole 0.6x1.7: S1(-4.32,3.125) S1(4.32,3.125)

## Nets
+3.3V: C122.1 C123.1 C124.1 C125.1 C126.1 C127.1 C128.1 C134.1 C155.1 C156.1 C157.1 C158.1 JP1.1 R1.1 R23.1 R24.2 R25.2 R26.1 R31.1 RV1.6 RV2.6 U1.2 U2.2 U10.1 U10.14
+5V: C1.2 C2.2 C3.2 C4.2 C5.2 C6.2 C7.2 C8.2 C9.2 C10.2 C11.2 C12.2 C13.2 C14.2 C15.2 C16.2 C17.2 C18.2 C19.2 C20.2 C21.2 C22.2 C23.2 C24.2 C25.2 C26.2 C27.2 C28.2 C29.2 C30.2 C31.2 C32.2 C33.2 C34.2 C35.2 C36.2 C37.2 C38.2 C39.2 C40.2 C41.2 C42.2 C43.2 C44.2 C45.2 C46.2 C47.2 C48.2 C49.2 C50.2 C51.2 C52.2 C53.2 C54.2 C55.2 C56.2 C57.2 C58.2 C59.2 C60.2 C61.2 C62.2 C63.2 C64.2 C65.2 C66.2 C67.2 C68.2 C69.2 C70.2 C71.2 C72.2 C73.2 C74.2 C75.2 C76.2 C77.2 C78.2 C79.2 C80.2 C81.2 C82.2 C83.2 C84.2 C85.2 C86.2 C87.2 C88.2 C89.2 C90.2 C91.2 C92.2 C93.2 C94.2 C95.2 C96.2 C97.2 C98.2 C99.2 C100.2 C101.2 C102.2 C103.2 C104.2 C105.2 C106.2 C107.2 C108.2 C109.2 C110.2 C111.2 C112.2 C113.2 C114.2 C115.2 C116.2 C117.2 C118.2 C119.2 C120.2 C132.1 C133.1 C135.2 C136.2 C137.2 C150.2 C151.2 C152.1 C153.1 C154.1 JP1.3 LED1.1 LED2.1 LED3.1 LED4.1 LED5.1 LED6.1 LED7.1 LED8.1 LED9.1 LED10.1 LED11.1 LED12.1 LED13.1 LED14.1 LED15.1 LED16.1 LED17.1 LED18.1 LED19.1 LED20.1 LED21.1 LED22.1 LED23.1 LED24.1 LED25.1 LED26.1 LED27.1 LED28.1 LED29.1 LED30.1 LED31.1 LED32.1 LED33.1 LED34.1 LED35.1 LED36.1 LED37.1 LED38.1 LED39.1 LED40.1 LED41.1 LED42.1 LED43.1 LED44.1 LED45.1 LED46.1 LED47.1 LED48.1 LED49.1 LED50.1 LED51.1 LED52.1 LED53.1 LED54.1 LED55.1 LED56.1 LED57.1 LED58.1 LED59.1 LED60.1 LED61.1 LED62.1 LED63.1 LED64.1 LED65.1 LED66.1 LED67.1 LED68.1 LED69.1 LED70.1 LED71.1 LED72.1 LED73.1 LED74.1 LED75.1 LED76.1 LED77.1 LED78.1 LED79.1 LED80.1 LED81.1 LED82.1 LED83.1 LED84.1 LED85.1 LED86.1 LED87.1 LED88.1 LED89.1 LED90.1 LED91.1 LED92.1 LED93.1 LED94.1 LED95.1 LED96.1 LED97.1 LED98.1 LED99.1 LED100.1 LED101.1 LED102.1 LED103.1 LED104.1 LED105.1 LED106.1 LED107.1 LED108.1 LED109.1 LED110.1 LED111.1 LED112.1 LED113.1 LED114.1 LED115.1 LED116.1 LED117.1 LED118.1 LED119.1 LED120.1 U2.3 U3.10 U3.16 U4.10 U4.16 U5.10 U5.16 U7.5 U8.5 U11.1
